# Altium PCB smoothieboard-5driver.PcbDoc (part 5 of 5)
Units mm, origin at the board's own origin, x right, y up, seen from the top; angles counter-clockwise.
Board outline 129.55 x 105.03 mm, 4 copper layers (Top, Route2, Route15, Bottom), stack 1.46 mm thick; 318 components, 238 nets, 1069 pads, 669 vias.
Unrouted connection lines stored in the file: 1.
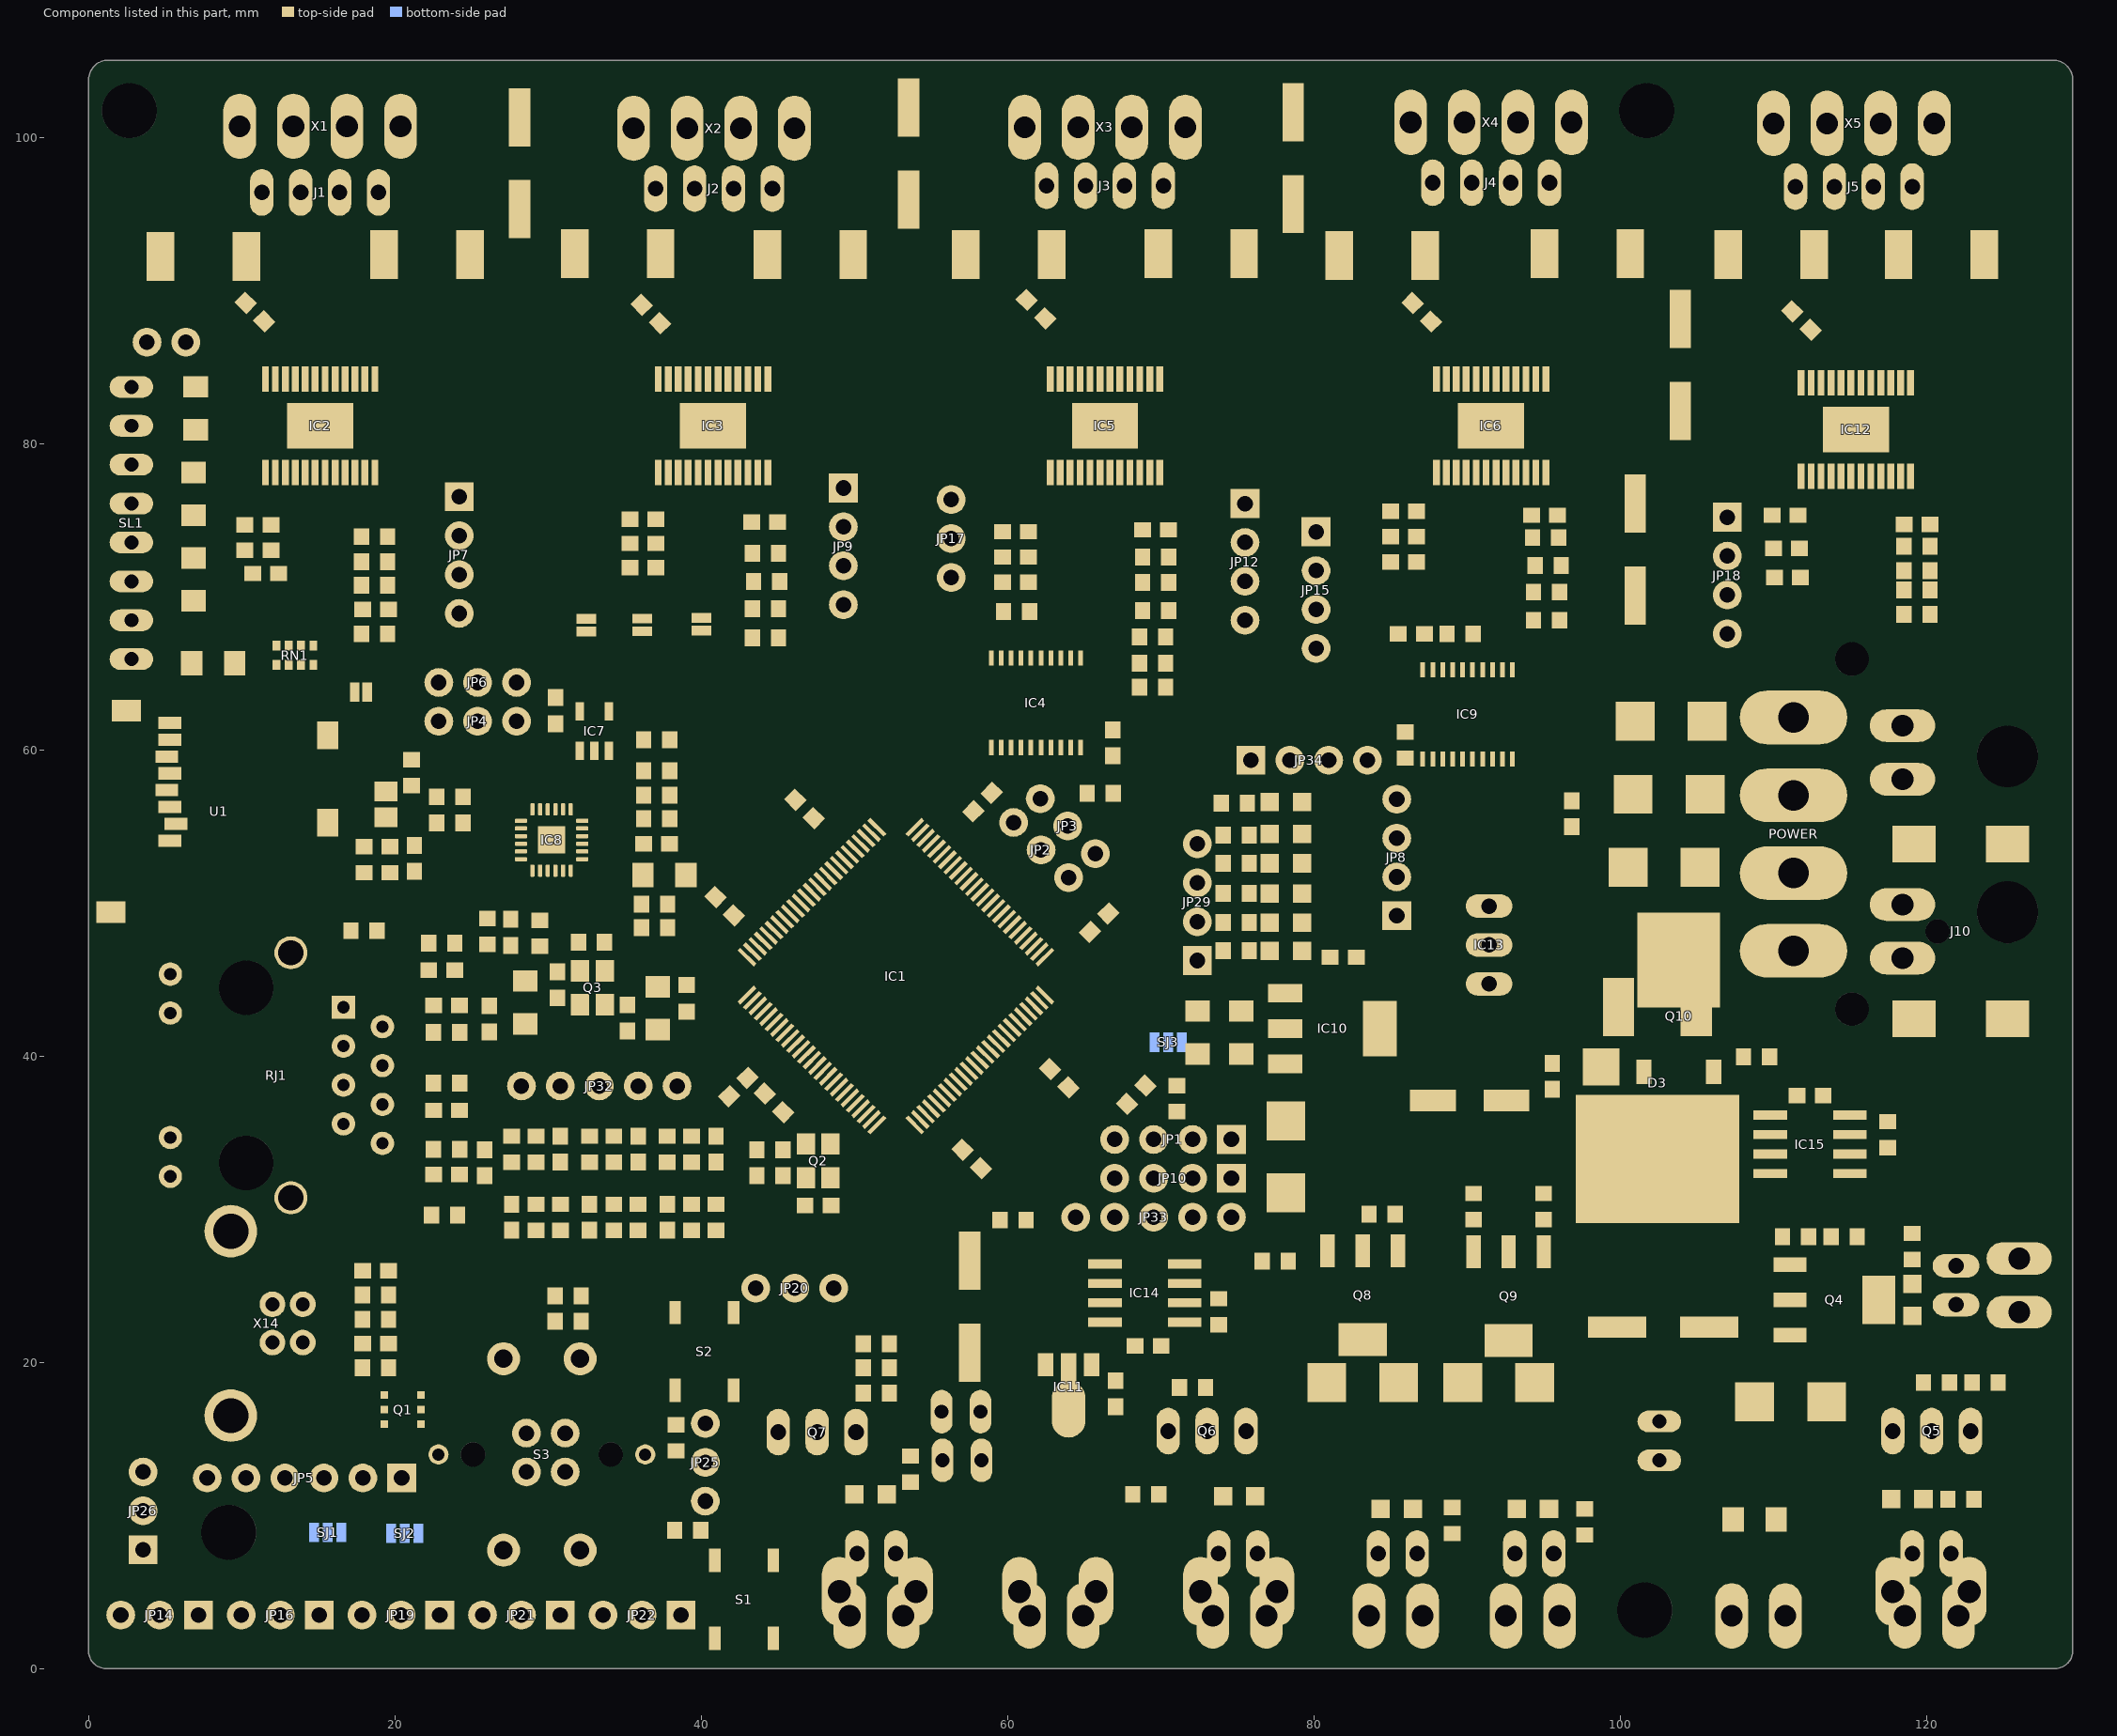
[diagram p7: the components of this part, seen from the top]

## Polygon pours and split planes (outlines as drawn) (continued)
VBB on Route2 "Polygon_9_Net_VBB" (solid, remove dead copper, pour order 44): 96.642,42.369 131.655,42.048 131.975,-2.489 120.139,-2.489 119.82,37.718 119.82,38.786 108.36,38.786 107.526,37.952 107.526,28.308 96.642,28.308
GND on Route2 "Polygon_10_Net_GND" (solid, remove dead copper, pour order 85): 109.135,-5.098 109.135,26.156 59.955,26.156 52.955,19.156 43.955,19.156 42.881,18.082 42.881,-5.098
GND on Top "Polygon_9_Net_GND" (solid, remove dead copper, pour order 87): 132.24,-4.343 132.558,109.628 82.856,109.18 82.856,99.181 74.161,99.181 74.161,109.181 57.855,109.181 57.855,99.181 50.16,99.181 50.16,109.181 32.856,109.181 32.856,98.181 25.16,98.181 25.16,109.181 -4.144,109.181 -4.144,66.877 81.856,66.877 81.856,57.556 78.278,57.556 78.278,42.647 81.771,42.647 81.771,-4.343
N$52 on Top "Polygon_1_Net_N$52" (solid, remove dead copper, pour order 55): 116.327,30.302 116.327,28.278 115.494,27.445 112.954,27.445 112.2,26.691 112.2,17.632 112.636,17.196 132.291,17.196 132.291,30.302
N$18 on Top "Polygon_1_Net_N$18" (solid, remove dead copper, pour order 71): 87.51,-1.778 87.83,28.956 106.18,28.956 106.18,-1.778
N$76 on Top "Polygon_1_Net_N$76" (solid, remove dead copper, pour order 67): 113.483,83.312 113.483,86.667 111.26,88.889 111.26,93.864 112.848,95.451 112.848,98.097 111.895,99.049 111.895,103.569 109.175,103.569 108.466,102.859 108.466,87.196 110.445,85.217 112.033,85.217 112.594,84.656 112.594,83.312
N$72 on Top "Polygon_1_Net_N$72" (solid, remove dead copper, pour order 49): 111.959,103.177 111.959,98.944 112.752,98.15 112.752,95.293 113.864,94.181 113.864,89.419 114.816,88.466 114.816,87.439 115.159,87.439 115.159,103.141 115.039,103.569 112.35,103.569
N$71 on Top "Polygon_1_Net_N$71" (solid, remove dead copper, pour order 61): 118.524,103.67 121.705,103.67 122.474,102.901 122.474,87.154 120.435,85.115 118.53,85.115 118.029,84.614 118.029,83.21 117.254,83.21 117.254,87.026 119.477,89.249 119.477,93.504 117.572,95.409 117.572,98.139 118.524,99.091
N$70 on Top "Polygon_1_Net_N$70" (solid, remove dead copper, pour order 21): 115.324,87.439 115.324,103.189 115.855,103.569 118.171,103.569 118.563,103.177 118.563,98.944 117.769,98.15 117.769,94.658 116.975,93.864 116.975,89.419 116.023,88.466 116.023,87.439
N$66 on Top "Polygon_1_Net_N$66" (solid, remove dead copper, pour order 59): 114.753,86.487 114.753,94.361 111.715,94.361 111.324,93.969 111.324,88.784 113.62,86.487
N$65 on Top "Polygon_1_Net_N$65" (solid, remove dead copper, pour order 48): 116.086,94.361 118.806,94.361 119.515,93.652 119.515,89.101 116.901,86.487 116.086,86.487
SMALL_MOSFET_POWER on Top "Polygon_4_Net_SMALL_MOSFET_POWER" (solid, remove dead copper, pour order 10): 84.793,21.514 84.793,18.543 86.877,16.459 88.399,16.459 90.483,18.543 90.483,21.514
SMALL_MOSFET_POWER on Top "Polygon_1_Net_SMALL_MOSFET_POWER" (solid, remove dead copper, pour order 54): 106.815,14.668 103.141,14.668 98.061,9.271 94.496,9.271 94.496,-0.506 109.118,-0.7 109.037,10.149 106.815,12.372
N$60 on Top "Polygon_1_Net_N$60" (solid, remove dead copper, pour order 22): 91.486,96.393 91.486,103.505 92.147,104.165 94.115,104.165 94.839,103.441 94.839,99.441 93.95,98.552 93.95,94.742 93.632,94.425 93.632,91.123 93.251,90.742 93.251,89.218 91.811,87.777 91.739,91.375 91.804,91.44 91.804,96.076
VBB_IN on Top "Polygon_1_Net_VBB_IN" (solid, remove dead copper, pour order 39): 115.451,53.964 115.451,50.789 114.255,49.593 99.015,49.593 97.989,48.567 97.989,41.159 99.015,40.132 114.361,40.132 115.705,41.476 115.705,46.874 116.901,48.069 121.028,48.069 122.055,49.096 122.055,54.917 121.346,55.626 117.113,55.626
MOSFET_DRIVE on Top "Polygon_4_Net_MOSFET_DRIVE" (solid, remove dead copper, pour order 47): 59.06,18.877 59.06,23.081 54.456,23.081 54.456,18.877
MOSFET_DRIVE on Top "Polygon_2_Net_MOSFET_DRIVE" (solid, remove dead copper, pour order 64): 75.325,-1.098 51.381,-1.098 51.381,16.582 52.881,18.082 52.881,19.156 59.134,19.156 59.19,10.149 60.041,9.298 75.056,9.156 75.325,9.156
N$94 on Top "Polygon_1_Net_N$94" (solid, remove dead copper, pour order 53): 50.935,-1.098 50.935,18.156 42.881,18.156 42.881,16.972 45.381,14.722 45.381,-1.098
N$88 on Top "Polygon_1_Net_N$88" (solid, remove dead copper, pour order 57): 70.816,20.403 70.816,28.949 87.473,28.982 87.43,11.168 85.567,11.211 85.525,-1.123 78.951,-1.123 78.951,8.331 77.392,9.89 77.084,9.957 76.373,10.668 76.373,18.606 75.26,19.719 71.5,19.719
+5V on Top "Polygon_1_Net_+5V" (solid, remove dead copper, pour order 37): 120.721,63.271 115.959,63.271 114.689,64.541 104.402,64.541 103.678,63.817 103.678,60.198 104.402,59.474 115.006,59.474 115.641,60.109 120.721,60.109 121.128,60.516 121.128,62.865
5V on Top "Polygon_3_Net_5V" (solid, remove dead copper, pour order 27): 89.692,46.063 92.886,46.063 96.617,42.332 96.617,37.948 91.915,37.948 88.502,41.361 88.502,44.872
5V on Top "Polygon_2_Net_5V" (solid, remove dead copper, pour order 13): 98.37,64.541 102.306,64.541 103.03,63.817 103.03,60.198 102.306,59.474 98.37,59.474 97.646,60.198 97.646,63.817
5V on Top "Polygon_1_Net_5V" (solid, remove dead copper, pour order 60): 81.313,32.724 81.313,39.405 79.884,40.834 73.703,40.834 73.703,36.16 76.875,32.724
N$50 on Top "Polygon_1_Net_N$50" (solid, remove dead copper, pour order 34): 87.854,103.187 87.854,99.123 88.679,98.298 88.679,95.314 87.892,94.526 85.233,94.526 84.679,93.861 84.679,93.54 84.742,91.123 84.68,87.876 85.019,87.48 85.675,86.825 88.596,86.571 89.657,85.509 88.908,85.509 88.464,85.954 84.527,85.954 83.853,86.628 83.215,87.202 82.977,87.44 82.977,94.996 82.469,95.504 82.469,102.235 83.638,103.403 83.892,103.403 84.527,104.038 87.003,104.038
N$49 on Top "Polygon_1_Net_N$49" (solid, remove dead copper, pour order 17): 88.184,99.378 88.184,103.378 88.845,104.038 90.495,104.038 91.156,103.378 91.156,95.631 91.346,95.44 91.346,87.961 89.454,89.853 89.454,95.06 89.073,95.441 89.073,98.489
N$48 on Top "Polygon_1_Net_N$48" (solid, remove dead copper, pour order 32): 95.233,101.918 95.233,103.505 96.147,104.419 98.242,104.419 99.411,103.251 99.411,94.425 99.22,94.234 99.22,88.964 96.528,86.271 93.874,86.271 95.004,87.401 95.512,87.401 96.376,88.265 96.376,94.615 95.83,95.161 95.258,95.161 94.534,95.885 94.534,98.361 95.36,99.187 95.36,101.791
N$46 on Top "Polygon_1_Net_N$46" (solid, remove dead copper, pour order 3): 86.597,89.916 86.597,93.789 86.94,94.132 88.781,94.132 89.06,93.853 89.06,89.725 90.775,88.011 90.775,86.627 88.337,89.065 87.448,89.065
N$45 on Top "Polygon_1_Net_N$45" (solid, remove dead copper, pour order 5): 93.925,90.653 93.925,94.096 94.316,94.488 95.628,94.488 96.02,94.096 96.02,88.657 95.247,87.884 93.388,87.884 93.086,87.703 92.464,87.525 92.464,87.81 93.736,89.082 93.799,90.465
N$34 on Top "Polygon_1_Net_N$34" (solid, remove dead copper, pour order 38): 58.303,106.232 62.963,106.232 62.882,98.757 63.711,97.858 63.711,94.826 62.092,94.826 61.211,93.945 61.211,88.868 64.711,85.618 64.711,83.326 63.556,83.326 63.543,85.033 62.797,85.78 60.308,85.78 58.48,87.609
N$33 on Top "Polygon_1_Net_N$33" (solid, remove dead copper, pour order 20): 63.133,98.775 63.133,103.409 63.508,103.784 65.413,103.784 66.2,102.997 66.2,87.707 64.308,89.599 64.308,94.679 63.864,95.123 63.864,98.044
N$32 on Top "Polygon_1_Net_N$32" (solid, remove dead copper, pour order 31): 74.201,102.303 74.201,88.392 71.953,86.144 68.982,86.144 70.366,87.528 70.874,87.528 71.166,87.82 71.166,94.298 69.261,96.203 69.261,98.044 70.087,98.869 70.087,102.679 71.001,103.594 72.774,103.594
N$31 on Top "Polygon_1_Net_N$31" (solid, remove dead copper, pour order 18): 66.531,103.124 67.191,103.784 68.588,103.784 69.566,102.806 69.566,98.933 68.931,98.298 68.931,95.314 68.359,94.742 68.359,89.472 66.531,87.643
N$30 on Top "Polygon_1_Net_N$30" (solid, remove dead copper, pour order 0): 65.565,86.237 65.565,87.82 63.914,89.471 63.914,93.916 63.317,94.513 62.238,94.513 61.768,94.043 61.768,90.172
N$28 on Top "Polygon_1_Net_N$28" (solid, remove dead copper, pour order 4): 68.753,89.408 68.753,94.17 69.16,94.577 70.302,94.577 70.836,94.043 70.836,89.408 69.413,87.986 68.715,87.986 67.166,86.437 67.166,87.82
N$14 on Top "Polygon_1_Net_N$14" (solid, remove dead copper, pour order 29): 32.876,97.282 32.876,102.489 34.044,103.657 36.203,103.657 36.927,102.933 36.927,98.615 37.943,97.599 37.943,95.568 37.346,94.971 36.203,94.971 35.466,94.234 35.466,91.112 34.577,90.413 34.577,89.154 37.282,86.449 38.108,86.449 38.857,85.7 35.568,85.7 32.939,88.329 32.939,90.233 33.066,90.36 33.066,97.092
N$12 on Top "Polygon_1_Net_N$12" (solid, remove dead copper, pour order 19): 38.108,103.467 39.759,103.467 40.61,102.616 40.61,87.77 40.285,88.095 38.826,89.618 38.718,89.726 38.718,94.615 38.337,94.996 38.337,97.79 37.384,98.743 37.384,102.743
N$11 on Top "Polygon_1_Net_N$11" (solid, remove dead copper, pour order 30): 44.242,101.537 44.242,103.06 45.093,103.911 47.442,103.911 48.547,102.806 48.547,87.948 46.934,86.335 43.773,86.335 45.766,88.328 45.766,94.234 43.988,96.012 43.988,98.044 44.306,98.361 44.306,101.473
N$10 on Top "Polygon_1_Net_N$10" (solid, remove dead copper, pour order 16): 40.94,102.934 40.94,103.568 41.347,103.975 42.87,103.975 43.848,102.997 43.848,98.298 43.277,97.727 43.277,94.679 42.768,94.17 42.704,90.169 40.938,88.403 41.003,102.871
N$8 on Top "Polygon_1_Net_N$8" (solid, remove dead copper, pour order 2): 41.575,86.437 41.575,88.326 43.226,90.041 43.226,93.98 43.696,94.45 44.839,94.45 45.436,93.853 45.436,90.297
N$104 on Top "Polygon_1_Net_N$104" (solid, remove dead copper, pour order 35): 8.2,103.848 10.612,103.848 11.146,103.314 11.146,98.679 12.162,97.663 12.162,95.187 11.628,94.653 10.422,94.653 9.787,94.018 8.517,94.018 8.288,93.79 8.288,89.163 10.253,87.567 11.07,87.127 11.597,86.798 12.444,85.95 8.188,86.589 7.819,86.589 6.015,88.392 5.951,101.47 7.412,102.995 7.412,103.06
N$103 on Top "Polygon_1_Net_N$103" (solid, remove dead copper, pour order 25): 11.794,102.997 11.794,103.251 12.327,103.784 14.168,103.784 14.956,102.997 14.956,87.605 14.677,87.605 13,89.281 13,94.234 12.619,94.615 12.619,97.981 11.603,98.997 11.603,102.806
N$102 on Top "Polygon_1_Net_N$102" (solid, remove dead copper, pour order 33): 18.588,103.251 18.588,103.759 18.995,104.165 21.661,104.165 23.592,102.235 23.592,91.12 23.527,88.835 20.772,86.081 17.148,86.081 19.215,87.02 19.445,87.02 19.906,87.424 21.573,89.09 21.573,93.345 20.9,94.018 20.074,94.018 19.439,94.653 18.042,94.653 17.572,95.123 17.572,97.726 18.715,98.869 18.715,103.124
N$101 on Top "Polygon_1_Net_N$101" (solid, remove dead copper, pour order 15): 15.286,103.187 15.756,103.657 17.788,103.657 18.321,103.124 18.321,99.187 17.178,98.044 17.178,89.789 15.286,87.897
N$99 on Top "Polygon_1_Net_N$99" (solid, remove dead copper, pour order 9): 9.106,91.218 9.106,93.046 9.899,93.885 10.445,94.431 12.662,94.431 12.607,89.403 14.66,87.342 14.66,83.377 13.606,83.377 13.606,86.468
N$98 on Top "Polygon_1_Net_N$98" (solid, remove dead copper, pour order 50): 15.606,94.181 21.16,94.181 21.16,88.627 18.321,88.627 16.66,86.966 16.66,83.377 15.606,83.377
VBB on Top "Polygon_6_Net_VBB" (solid, remove dead copper, pour order 12): 102.38,85.065 105.232,85.065 106.351,83.946 106.351,80.588 105.243,79.258 102.764,79.258 101.545,80.477 101.545,84.346 101.914,84.715
VBB on Top "Polygon_5_Net_VBB" (solid, remove dead copper, pour order 11): 99.84,79.032 102.692,79.032 103.811,77.913 103.811,74.555 102.703,73.226 100.224,73.226 99.005,74.445 99.005,78.313 99.374,78.683
VBB on Top "Polygon_3_Net_VBB" (solid, remove dead copper, pour order 46): 90.385,83.402 90.385,87.082 88.061,89.406 86.381,89.406 86.381,87.402 87.455,87.402 89.381,85.476 89.381,83.402
VBB on Top "Polygon_2_Net_VBB" (solid, remove dead copper, pour order 8): 51.545,94.361 51.545,98.044 52.154,98.653 52.473,98.595 54.734,98.595 56.167,97.484 56.167,94.425 55.062,93.32 52.586,93.32
VBB on Top "Polygon_1_Net_VBB" (solid, remove dead copper, pour order 63): 108.11,33.744 108.11,26.226 107.386,25.502 104.211,25.502 103.665,24.956 103.665,20.002 104.211,19.456 111.92,19.456 111.92,16.701 111.196,15.977 108.656,15.977 107.386,14.707 103.132,14.707 97.011,20.828 97.011,33.744
3.3V on Top "Polygon_2_Net_3.3V" (solid, remove dead copper, pour order 56): 77.034,43.421 79.574,43.421 81.618,45.465 81.618,48.323 82.432,49.136 96.833,49.136 96.833,31.064 80.978,31.064 81.101,38.805 79.679,40.226 77.032,40.274 76.538,40.768 76.538,42.925
GND on Top "Polygon_24_Net_GND" (solid, remove dead copper, pour order 77): 61.451,19.456 65.883,19.456 65.883,14.072 61.451,14.072
GND on Top "Polygon_23_Net_GND" (solid, remove dead copper, pour order 83): 59.254,19.431 59.254,10.361 60.28,9.335 76.335,9.335 76.335,13.716 72.451,13.716 71.89,14.277 71.89,19.431
GND on Top "Polygon_20_Net_GND" (solid, remove dead copper, pour order 6): 79.32,28.981 81.351,28.981 82.075,28.257 82.075,24.956 81.351,24.232 79.32,24.232 78.596,24.956 78.596,28.257
GND on Top "Polygon_18_Net_GND" (solid, remove dead copper, pour order 28): 109.076,82.956 122.398,82.956 122.398,78.842 109.076,78.842
GND on Top "Polygon_17_Net_GND" (solid, remove dead copper, pour order 78): 104.922,73.435 97.967,73.435 97.967,66.623 104.922,66.623
GND on Top "Polygon_16_Net_GND" (solid, remove dead copper, pour order 80): 33.414,109.435 24.602,109.435 24.602,97.623 33.414,97.623
GND on Top "Polygon_15_Net_GND" (solid, remove dead copper, pour order 79): 58.414,109.435 49.602,109.435 49.602,98.623 58.414,98.623
GND on Top "Polygon_14_Net_GND" (solid, remove dead copper, pour order 81): 83.414,109.435 73.602,109.435 73.602,99.861 74.84,98.623 82.176,98.623 83.414,99.861
GND on Top "Polygon_13_Net_GND" (solid, remove dead copper, pour order 45): -1.119,30.402 20.249,30.402 24.399,25.845 40.066,25.845 41.41,27.189 41.337,40.384 40.457,41.265 40.384,47.656 -1.119,47.656
GND on Top "Polygon_12_Net_GND" (solid, remove dead copper, pour order 43): -0.869,30.156 -0.869,14.152 24.135,14.152 24.135,25.827 20.315,30.156 15.205,30.156 13.955,28.906 12.561,28.906 11.311,30.156
GND on Top "Polygon_8_Net_GND" (solid, remove dead copper, pour order 7): 91.575,28.564 91.183,28.956 88.538,28.956 88.146,28.564 88.146,24.649 88.538,24.257 91.183,24.257 91.575,24.649
GND on Top "Polygon_7_Net_GND" (solid, remove dead copper, pour order 42): -1.219,63.956 -1.219,48.102 21.835,48.102 21.835,63.956
GND on Top "Polygon_5_Net_GND" (solid, remove dead copper, pour order 82): 99.716,85.357 99.716,98.666 108.58,98.666 108.58,85.357
GND on Top "Polygon_4_Net_GND" (solid, remove dead copper, pour order 14): 50.681,100.595 50.681,103.748 51.39,104.457 56.258,104.457 56.968,103.748 56.968,99.769 56.639,99.441 51.835,99.441
GND on Top "Polygon_3_Net_GND" (solid, remove dead copper, pour order 23): 24.71,99.515 24.71,103.367 25.482,104.14 31.366,104.14 32.076,103.431 32.076,99.579 31.366,98.87 25.355,98.87
GND on Top "Polygon_2_Net_GND" (solid, remove dead copper, pour order 24): 57.323,32.296 57.323,31.75 55.609,30.035 55.609,24.384 56.333,23.66 59.063,23.66 60.485,25.083 60.485,25.527 59.977,26.035 59.977,33.02 59.126,33.871 58.619,33.871 57.044,32.296
GND on Bottom "Polygon_6_Net_GND" (solid, remove dead copper, pour order 89): -2.659,107.696 132.215,107.696 132.215,-1.778 -2.659,-1.778
N$52 on Bottom "Polygon_2_Net_N$52" (solid, remove dead copper, pour order 75): 108.466,39.116 108.466,15.05 113.408,15.05 116.266,17.907 122.828,17.907 124.024,16.711 124.024,-3.683 139.518,-3.683 139.518,39.116
SMALL_MOSFET_POWER on Bottom "Polygon_2_Net_SMALL_MOSFET_POWER" (solid, remove dead copper, pour order 69): 83.881,-0.398 83.881,18.556 100.631,18.556 101.1,18.087 101.1,15.864 102.296,14.668 107.768,14.668 107.768,11.737 109.038,10.467 109.027,-0.398
VBB_IN on Bottom "Polygon_2_Net_VBB_IN" (solid, remove dead copper, pour order 70): 85.998,39.179 129.993,39.179 129.993,51.816 110.763,51.816 109.175,50.228 85.998,50.228 85.289,49.519 85.289,39.889
MOSFET_DRIVE on Bottom "Polygon_1_Net_MOSFET_DRIVE" (solid, remove dead copper, pour order 41): 74.985,-1.123 74.985,9.092 72.896,11.181 65.071,11.181 63.821,12.432 60.945,12.432 59.695,11.181 57.071,11.181 56.41,11.842 56.41,19.181 51.106,19.181 51.106,-1.123
N$94 on Bottom "Polygon_2_Net_N$94" (solid, remove dead copper, pour order 72): 50.884,0.489 50.935,13.324 49.03,15.229 49.03,17.134 48.638,17.526 46.628,17.526 46.236,17.134 46.236,1.471 49.243,-1.535 47.55,0.489
N$92 on Bottom "Polygon_1_Net_N$92" (solid, remove dead copper, pour order 73): 75.103,9.405 75.103,-1.168 79.537,-1.168 79.35,17.33 78.494,18.186 72.335,18.186 71.611,17.462 71.611,12.256 72.335,11.532 73.28,11.532
VBB on Bottom "Polygon_7_Net_VBB" (solid, remove dead copper, pour order 66): 56.396,11.949 56.396,22.532 59.645,25.781 78.06,25.781 79.256,26.977 79.256,34.597 83.775,39.116 108.403,39.116 108.403,15.124 108.011,14.732 102.19,14.732 101.164,15.759 101.164,17.981 100.603,18.542 70.123,18.542 69.17,19.494 62.608,19.494 61.73,18.616 61.73,13.219 59.751,11.239 57.105,11.239
GND on Bottom "Polygon_21_Net_GND" (solid, remove dead copper, pour order 62): 109.342,1.003 109.342,10.498 116.446,17.602 118.837,17.602 119.274,17.166 119.274,7.79 112.487,1.003
GND on Bottom "Polygon_19_Net_GND" (solid, remove dead copper, pour order 84): 106.023,65.227 121.958,65.227 123.084,64.101 123.084,42.278 106.023,42.278 104.897,43.404 104.897,64.101
N$109 on Route15 "Polygon_1_Net_N$109" (solid, remove dead copper, pour order 36): 119.939,17.285 120.742,17.285 121.814,16.213 121.814,14.943 122.449,14.308 122.449,4.932 119.472,1.956 116.764,1.956 115.375,3.345 115.375,7.323 118.232,10.181 118.232,14.308 118.867,14.943 118.867,16.213
SMALL_MOSFET_POWER on Route15 "Polygon_3_Net_SMALL_MOSFET_POWER" (solid, remove dead copper, pour order 68): 85.151,-1.098 85.151,14.758 105.818,14.758 105.818,14.639 107.45,13.007 107.45,12.054 109.036,10.468 109.313,-1.098
MOSFET_DRIVE on Route15 "Polygon_3_Net_MOSFET_DRIVE" (solid, remove dead copper, pour order 65): 51.634,-1.143 75.065,-1.143 75.065,9.271 73.086,9.271 71.181,11.176 58.965,11.156 57.019,13.102 56.967,17.77 56.258,18.479 52.343,18.479 51.634,17.769
N$94 on Route15 "Polygon_3_Net_N$94" (solid, remove dead copper, pour order 52): 51.57,-2.413 51.57,8.568 49.665,10.156 49.665,16.499 48.956,17.209 46.628,17.209 45.919,16.499 45.919,-2.413
N$92 on Route15 "Polygon_2_Net_N$92" (solid, remove dead copper, pour order 74): 79.193,-1.143 79.193,18.796 71.954,18.796 71.954,9.002 74.811,9.32 74.811,-1.143
VBB on Route15 "Polygon_8_Net_VBB" (solid, remove dead copper, pour order 1): 57.006,17.462 57.006,12.891 57.73,12.167 58.809,12.167 59.533,12.891 59.533,17.462 58.809,18.186 57.73,18.186
VBB on Route15 "Polygon_4_Net_VBB" (solid, remove dead copper, pour order 58): 131.263,39.179 110.551,39.179 108.085,36.714 108.085,30.364 106.741,29.019 98.063,29.019 97.036,30.046 97.036,37.772 106.561,47.297 106.561,64.336 94.888,76.009 8.341,75.902 8.341,88.442 -1.119,88.442 -1.119,106.156 130.899,106.156
3.3V on Route15 "Polygon_1_Net_3.3V" (solid, remove dead copper, pour order 86): 106.408,75.155 106.408,-1.098 -1.119,-1.098 -1.119,75.657
GND on Route15 "Polygon_22_Net_GND" (solid, remove dead copper, pour order 76): 132.609,-2.172 132.609,39.192 110.612,39.192 110.612,29.866 106.604,25.857 94.39,25.857 91.215,29.032 84.061,29.032 74.13,19.101 79.299,19.101 79.497,18.902 79.497,-2.172
GND on Route15 "Polygon_11_Net_GND" (solid, remove dead copper, pour order 51): 71.89,16.182 71.89,11.314 67.763,7.186 67.763,3.376 66.736,2.349 64.408,2.349 63.699,3.059 63.699,10.782 69.486,16.891 71.181,16.891

## Keep-outs
Keep-Out Layer:
  the board outline again, w0
Dimension:
  lines w0.051: 107.958,45.974 108.911,45.021 110.181,45.021 ; 107.958,47.879 108.911,48.831 110.181,48.831 ; 112.403,45.021 113.991,45.021 114.943,45.974 ; 112.403,48.831 113.991,48.831 114.943,47.879
  lines w0.203: 108.911,100.266 108.911,99.314 109.546,98.679 ; 108.911,101.536 108.911,102.489 109.546,103.124 ; 110.498,98.679 111.133,99.314 111.133,100.266 ; 110.498,103.124 111.133,102.489 111.133,101.536 ; 110.657,96.298 110.657,95.663 111.133,95.186 ; 110.657,97.25 110.657,97.885 111.133,98.361 ; 111.768,95.186 112.244,95.663 112.244,96.298 ; 111.768,98.361 112.244,97.885 112.244,97.25 ; 112.403,100.266 112.403,99.314 113.038,98.679 ; 112.403,101.536 112.403,102.489 113.038,103.124 ; 113.197,96.298 113.197,95.663 113.673,95.186 ; 113.197,97.25 113.197,97.885 113.673,98.361 ; 113.991,98.679 114.626,99.314 114.626,100.266 ; 113.991,103.124 114.626,102.489 114.626,101.536 ; 114.308,95.186 114.784,95.663 114.784,96.298 ; 114.308,98.361 114.784,97.885 114.784,97.25 ; 115.737,96.298 115.737,95.663 116.213,95.186 ; 115.737,97.25 115.737,97.885 116.213,98.361 ; 115.896,100.266 115.896,99.314 116.531,98.679 ; 115.896,101.536 115.896,102.489 116.531,103.124 ; 116.848,95.186 117.324,95.663 117.324,96.298 ; 116.848,98.361 117.324,97.885 117.324,97.25 ; 117.483,98.679 118.118,99.314 118.118,100.266 ; 117.483,103.124 118.118,102.489 118.118,101.536 ; 118.277,96.298 118.277,95.663 118.753,95.186 ; 118.277,97.25 118.277,97.885 118.753,98.361 ; 119.388,95.186 119.864,95.663 119.864,96.298 ; 119.388,98.361 119.864,97.885 119.864,97.25 ; 119.388,100.266 119.388,99.314 120.023,98.679 ; 119.388,101.536 119.388,102.489 120.023,103.124 ; 120.976,98.679 121.611,99.314 121.611,100.266 ; 120.976,103.124 121.611,102.489 121.611,101.536

## Silkscreen, mask and mechanical layers (free items; w line width, h text height)
Top Overlay:
  circle w0.406: c113.026,32.629 r0.25
  circle w0.406: c68.258,26.279 r0.25
  circle w0.305: c38.608,1.629 r0.224
  circle w0.305: c30.808,1.729 r0.224
  circle w0.305: c22.908,1.729 r0.224
  circle w0.305: c15.008,1.729 r0.224
  circle w0.305: c7.208,1.829 r0.224
  circle w0.305: c1.708,7.729 r0.224
  lines w0.406: 64.143,32.004 74.938,32.004
  text "1" at 5.723,80.984 h1.08 r90
  text "Smoothieboard(tm) v1.1" at 127.961,78.676 h1.97 r90
  text "2" at 5.596,75.671 h1.08 r90
  text "GND" at 45.728,70.739 h1.57 r315
  text "3" at 5.596,70.528 h1.08 r90
  text "GND" at 25.408,69.469 h1.57
  text "GND" at 71.763,69.469 h1.57 r315
  text "GND" at 76.843,67.564 h1.57 r315
  text "GND" at 107.958,66.929 h1.57 r315
  text "4" at 5.469,64.305 h1.08 r90
  text "5VREG" at 97.027,43.443 h2.76 r90
  text "PWM1" at 45.726,9.197 h1.57 r90
  text "PWM0" at 81.923,7.81 h1.57 r90
Top Solder:
  region: 111.53,76.93 111.53,78.756 119.229,78.756 119.229,76.93
  region: 111.53,83.042 111.53,84.868 119.229,84.868 119.229,83.042
  region: 87.718,83.28 87.718,85.106 95.417,85.106 95.417,83.28
  region: 87.718,77.169 87.718,78.994 95.417,78.994 95.417,77.169
  region: 62.476,77.169 62.476,78.994 70.255,78.994 70.255,77.169
  region: 62.476,83.28 62.476,85.106 70.255,85.106 70.255,83.28
  region: 36.918,83.28 36.918,85.106 44.617,85.106 44.617,83.28
  region: 36.918,77.169 36.918,78.994 44.617,78.994 44.617,77.169
  region: 11.279,77.169 11.279,78.994 18.979,78.994 18.979,77.169
  region: 11.279,83.28 11.279,85.106 18.979,85.106 18.979,83.28
  region: 113.038,79.311 113.038,82.486 117.801,82.486 117.801,79.311
  region: 89.226,79.55 89.226,82.725 93.988,82.725 93.988,79.55
  region: 63.984,79.55 63.984,82.725 68.747,82.725 68.747,79.55
  region: 38.426,79.55 38.426,82.725 43.188,82.725 43.188,79.55
  region: 12.708,79.55 12.708,82.725 17.471,82.725 17.471,79.55
  lines w0.813: 40.966,41.846 41.601,42.481 ; 40.966,43.116 41.601,43.752 ; 40.966,44.386 41.601,45.021 ; 41.601,41.212 42.236,41.846 ; 42.236,40.576 42.871,41.212 ; 42.871,39.941 43.506,40.576
Bottom Solder:
  region: 102.243,12.954 102.243,14.224 106.053,14.224 106.053,12.954
  region: 102.243,15.494 102.243,16.764 106.053,16.764 106.053,15.494
Dimension:
  the board outline again, w0
tDocu:
  text "-ADC+" at 3.672,88.081 h1.57
  text "TH4" at 16.213,65.062 h1.57
  text "MS2" at 36.455,64.916 h1.57 r90
  text "MS1" at 32.726,64.892 h1.57 r90
  text "MS3" at 40.265,64.887 h1.57 r90
bPlace:
  text "Smoothieboard(tm) v1.1" at 74.621,92.964 h3.94
  text "http://smoothieware.org/" at 74.303,90.106 h2.76
  text "irc://chat.freenode.net/#smoothieware" at 74.303,87.884 h2.76
  text "designed by" at 98.116,39.624 h2.76
  text "Arthur Wolf," at 95.576,37.084 h2.76
  text "Triffid_Hunter," at 97.481,34.544 h2.76
  text "Eneiou Logxen," at 97.798,32.004 h2.76
  text "and others" at 94.941,29.464 h2.76
  text "with the support of" at 106.371,26.733 h2.76
  text "the RepRap community" at 106.371,24.066 h2.76
_tsilk:
  drawing of 4079 lines, arcs and shapes, not listed
  text "M3" at 67.333,91.14 h1.86 r90
  text "M5" at 116.164,91.077 h1.86 r90
  text "M1" at 15.961,90.743 h1.86 r90
  text "M4" at 92.352,90.759 h1.86 r90
  text "M2" at 41.361,90.505 h1.86 r90
  text "Thermistor" at 2.294,86.945 h1.08 r90
  text "EN2" at 45.661,78.278 h1.57 r315
  text "EN3" at 72.089,77.433 h1.57 r315
  text "EN5" at 107.52,77.406 h1.57 r315
  text "DIR2" at 45.414,76.122 h1.57 r315
  text "EN1" at 25.556,75.95 h1.57
  text "EN4" at 76.746,75.815 h1.57 r315
  text "DIR3" at 71.733,75.171 h1.57 r315
  text "DIR1" at 25.552,73.609 h1.57
  text "DIR4" at 76.445,73.486 h1.57 r315
  text "VBB" at 53.569,73.42 h1.57 r45
  text "ST2" at 45.838,73.331 h1.57 r315
  text "ST3" at 72.101,72.129 h1.57 r315
  text "DIR5" at 107.56,71.263 h1.57 r315
  text "ST1" at 25.62,70.957 h1.57
  text "ST4" at 76.779,70.414 h1.57 r315
  text "3.3V" at 53.011,70.337 h1.57 r45
  text "ST5" at 107.894,69.144 h1.57 r315
  text "GND" at 53.829,68.515 h1.57 r45
  text "5v" at 127.961,67.882 h5.91 r90
  text "GND" at 22.233,65.659 h1.57 r30
  text "SD_MO" at 24.773,65.659 h1.57 r30
  text "SD_MI" at 27.313,65.659 h1.57 r30
  text "+" at 107.489,64.693 h3.94 r90
  text "+" at 117.525,63.661 h3.94
  text "GND" at 75.419,61.213 h1.57 r45
  text "POT7" at 80.357,61.015 h1.57 r45
  text "POT8" at 82.902,60.992 h1.57 r45
  text "POT6" at 77.798,60.968 h1.57 r45
  text "3v3" at 21.598,59.944 h1.57 r330
  text "SD_CS" at 24.773,59.944 h1.57 r330
  text "SD_SCK" at 27.313,59.944 h1.57 r330
  text "GND" at 60.968,58.039 h0.86
  text "-" at 108.432,57.126 h5.91 r90
  text "SCL/P0.1" at 86.686,56.451 h1.57
  text "VBB" at 80.336,56.134 h1.57
  text "P0.18" at 65.096,55.499 h0.86 r315
  text "-" at 118.695,54.337 h3.94
  text "3v3" at 57.158,54.229 h0.86
  text "SDA/P0.0" at 86.686,54.229 h1.57
  text "3.3v" at 80.49,54.131 h0.86
  text "micro SD" at 8.453,52.676 h1.08 r90
  text "P0.17" at 66.273,52.417 h0.86 r315
  text "+" at 120.752,52.418 h3.94
  text "4" at 80.869,52.311 h1.57 r90
  text "-" at 108.215,52.118 h5.91 r90
  text "P0.16" at 60.333,52.006 h0.86 r315
  text "P0.15" at 65.096,51.689 h0.86 r315
  text "GND" at 86.051,50.736 h1.57 r315
  text "3" at 80.869,50.364 h1.57 r90
  text "3v3" at 86.051,48.831 h1.57 r315
  text "2" at 80.889,48.599 h1.57 r90
  text "VBB" at 93.353,47.879 h1.57 r45
  text "1" at 80.88,47.356 h1.57 r90
  text "GND" at 93.353,45.339 h1.57 r45
  text "RTCK" at 40.632,44.834 h0.35 r45
  text "+" at 109.359,43.24 h3.94 r90
  text "5v" at 93.353,42.799 h1.57 r45
  text "TDO" at 40.013,41.846 h0.35 r45
  text "-" at 121.24,41.555 h3.94
  text "TDI" at 40.013,40.576 h0.35 r45
  text "TMS" at 40.807,39.783 h0.35 r45
  text "P1.23" at 33.663,39.624 h0.52
  text "P1.22" at 37.473,39.624 h0.52
  text "GND" at 29.218,39.306 h0.69 r45
  text "P1.30" at 30.488,39.306 h0.52 r45
  text "P1.31" at 32.393,39.306 h0.52 r45
  text "TRST" at 40.966,38.989 h0.35 r45
  text "TCK" at 41.918,38.513 h0.35 r45
  text "VBB" at 119.575,37.599 h5.91
  text "5v" at 75.207,36.542 h1.08
  text "SCL/P0.28" at 67.318,35.814 h0.86 r90
  text "SDA/P0.27" at 70.176,35.814 h0.86 r90
  text "GND" at 72.716,35.814 h0.86 r90
  text "3v3" at 74.303,35.814 h0.86 r90
  text "Ethernet" at 2.484,35.637 h1.08 r90
  text "GND" at 60.968,31.686 h0.86
  text "GND" at 63.714,27.359 h0.52
  text "P2.7" at 65.823,27.359 h0.52
  text "P2.5" at 68.68,27.359 h0.52
  text "P2.4" at 71.22,27.359 h0.52
  text "P2.6" at 73.76,27.359 h0.52
  text "+" at 116.531,26.924 h3.94
  text "P2.11" at 44.776,25.971 h0.86 r45
  text "P3.26" at 47.316,25.971 h0.86 r45
  text "P3.25" at 50.173,25.654 h0.86 r45
  text "USB" at 2.619,21.316 h1.08 r90
  text "-" at 118.753,20.256 h3.94 r90
  text "ISP" at 43.985,19.897 h1.97 r90
  text "ISP" at 37.334,16.708 h0.69
  text "X_MIN" at 1.343,15.017 h1.57
  text "Serial" at 12.236,14.966 h1.08
  text "RX" at 12.044,13.788 h1.57
  text "TX" at 9.638,13.622 h1.57
  text "V+" at 14.613,13.589 h1.57
  text "GND" at 18.995,13.525 h1.57
  text "S" at 1.909,12.806 h1.26 r90
  text "GND" at 36.452,12.228 h1.57
  text "-" at 83.193,11.049 h3.94
  text "+" at 86.051,11.049 h3.94
  text "-" at 92.083,11.049 h3.94
  text "+" at 94.941,11.049 h3.94
  text "RST" at 36.584,10.676 h0.69
  text "-" at 1.942,10.639 h1.97 r90
  text "+" at 59.698,10.096 h3.94
  text "-" at 64.778,10.096 h3.94
  text "+" at 73.668,10.096 h3.94 r90
  text "-" at 46.363,9.779 h3.94
  text "+" at 54.618,9.779 h3.94
  text "-" at 77.161,9.779 h3.94
  text "-" at 114.943,9.779 h3.94
  text "+" at 124.468,9.779 h3.94
  text "+" at 1.95,8.348 h1.97 r90
  text "P1.24" at 6.041,8.35 h1.57 r90
  text "-" at 111.768,7.874 h3.94
  text "+" at 103.831,7.556 h3.94
  text "RESET" at 44.077,7.302 h1.97 r90
  text "X_MAX" at 6.231,6.286 h1.57
  text "Y_MIN" at 12.01,6.286 h1.57
  text "Y_MAX" at 18.296,6.286 h1.57
  text "Z_MAX" at 34.171,6.159 h1.57
  text "Z_MIN" at 26.234,6.096 h1.57
  text "P1.25" at 2.707,4.858 h1.57
  text "P1.26" at 10.644,4.858 h1.57
  text "P1.27" at 18.423,4.858 h1.57
  text "P1.28" at 26.202,4.858 h1.57
  text "P1.29" at 34.139,4.858 h1.57
  text "S" at 1.913,1.206 h1.26
  text "S" at 9.533,1.206 h1.26
  text "S" at 17.471,1.206 h1.26
  text "S" at 25.408,1.206 h1.26
  text "S" at 33.346,1.206 h1.26
  text "-" at 4.136,0.889 h1.97
  text "+" at 6.041,0.889 h1.97
  text "-" at 12.073,0.889 h1.97
  text "+" at 13.978,0.889 h1.97
  text "-" at 19.693,0.889 h1.97
  text "+" at 21.916,0.889 h1.97
  text "-" at 27.631,0.889 h1.97
  text "+" at 29.536,0.889 h1.97
  text "-" at 35.568,0.889 h1.97
  text "+" at 37.473,0.889 h1.97
_bsilk:
  lines w0.254: 55.888,13.589 55.888,16.764 ; 58.428,13.589 58.428,16.764 ; 64.143,32.004 74.938,32.004
  lines w0.61: 15.248,12.319 15.566,12.002 15.566,8.826
  text "M4" at 100.638,96.505 h1.86
  text "M1" at 23.819,96.315 h1.86
  text "M2" at 50.092,96.315 h1.86
  text "M3" at 75.492,96.251 h1.86
  text "M5" at 124.45,96.188 h1.86
  text "GND" at 6.808,83.284 h1.57
  text "TH1/P0.23" at 11.719,80.707 h1.57
  text "GND" at 6.808,78.204 h1.57
  text "EN2/P0.10" at 47.633,76.454 h1.57
  text "EN1/P0.4" at 22.233,75.819 h1.57
  text "VBB" at 54.618,75.819 h1.57
  text "TH2/P0.24" at 11.689,75.627 h1.57
  text "EN3/P0.19" at 73.668,75.184 h1.57
  text "EN5/P4.29" at 105.418,74.549 h1.57
  text "DIR2/P0.11" at 47.633,73.914 h1.57
  text "EN4/P0.21" at 89.21,73.722 h1.57
  text "DIR1/P0.5" at 22.233,73.279 h1.57
  text "3v3" at 54.618,73.279 h1.57
  text "DIR3/P0.20" at 73.668,73.279 h1.57
  text "GND" at 6.808,73.124 h1.57
  text "DIR5/P2.13" at 105.418,72.009 h1.57
  text "STP2/P2.1" at 47.633,71.374 h1.57
  text "STP3/P2.2" at 73.668,71.374 h1.57
  text "DIR4/P0.22" at 89.985,71.182 h1.57
  text "STP1/P2.0" at 22.233,70.739 h1.57
  text "GND" at 54.618,70.739 h1.57
  text "TH3/P0.25" at 11.718,70.547 h1.57
  text "STP5/P2.8" at 105.418,69.469 h1.57
  text "GND" at 47.633,68.834 h1.57
  text "STP4/P2.3" at 89.162,68.642 h1.57
  text "GND" at 22.233,68.199 h1.57
  text "GND" at 6.808,68.044 h1.57
  text "5v" at 127.961,67.882 h5.91
  text "GND" at 73.668,67.564 h1.57
  text "GND" at 105.418,66.929 h1.57
  text "GND" at 84.278,66.139 h1.57
  text "SD_MOSI/P0.9" at 30.488,65.659 h1.57
  text "TH4/P0.26" at 11.736,65.467 h1.57
  text "GND" at 21.598,63.754 h1.57
  text "SD_MISO/P0.8" at 39.378,63.754 h1.57
  text "+" at 119.388,63.754 h2.76
  text "MOSI/P0.18" at 70.501,61.956 h1.57 r45
  text "3v3" at 21.598,61.214 h1.57
  text "SD_SCK/P0.7" at 38.743,61.214 h1.57
  text "GND" at 74.938,61.214 h1.57 r270
  text "POT6" at 77.478,61.214 h1.57 r270
  text "POT7" at 80.653,61.214 h1.57 r270
  text "POT8" at 83.193,61.214 h1.57 r270
  text "+" at 106.053,61.214 h2.76
  text "MISO/P0.17" at 72.397,60.043 h1.57 r45
  text "SD_CS/P0.6" at 30.488,59.309 h1.57
  text "GND" at 60.333,56.769 h1.57
  text "SCL/P0.1" at 93.391,56.577 h1.57
  text "-" at 106.053,56.134 h2.76
  text "3v3" at 59.063,54.864 h1.57
  text "SDA/P0.0" at 93.391,54.672 h1.57
  text "-" at 120.023,54.229 h2.76
  text "LED4/P1.21" at 81.762,53.402 h1.57
  text "CS/P0.16" at 60.968,52.959 h1.57
  text "+" at 120.023,52.324 h2.76
  text "SCK/P0.15" at 62.238,51.054 h1.57
  text "-" at 106.053,51.054 h2.76
  text "LED3/P1.20" at 81.762,50.862 h1.57
  text "VBB" at 95.757,49.626 h1.57
  text "GND" at 88.11,49.465 h1.57 r315
  text "LED2/P1.19" at 81.794,48.322 h1.57
  text "GND" at 95.708,47.089 h1.57
  text "3v3" at 87.978,46.97 h1.57 r315
  text "+" at 106.053,45.974 h2.76
  text "LED1/P1.18" at 81.761,45.782 h1.57
  text "5v" at 94.854,44.508 h1.57
  text "I2C" at 71.763,42.481 h1.97
  text "-" at 120.023,42.164 h2.76
  text "5V" at 72.398,40.259 h1.26 r270
  text "3.3v" at 67.953,39.624 h1.26 r270
  text "VBB" at 127.961,37.401 h5.91
  text "SCL/P0.28" at 66.048,35.814 h1.57 r315
  text "SDA/P0.27" at 69.223,35.814 h1.57 r315
  text "GND" at 71.763,35.814 h1.57 r270
  text "3v3" at 73.668,35.814 h1.57 r270
  text "GND" at 27.793,34.094 h1.57 r270
  text "P1.30" at 30.272,32.558 h1.57 r270
  text "P1.31" at 32.812,32.558 h1.57 r270
  text "P1.22" at 37.892,32.57 h1.57 r270
  text "P1.23" at 35.352,32.541 h1.57 r270
  text "GND" at 63.508,31.369 h1.57
  text "P2.11" at 43.188,26.924 h1.57 r270
  text "P3.26" at 45.728,26.924 h1.57 r270
  text "P3.25" at 48.268,26.924 h1.57 r270
  text "GND" at 63.988,25.204 h1.57 r270
  text "P2.7" at 66.467,24.515 h1.57 r270
  text "P2.4" at 71.547,24.514 h1.57 r270
  text "P2.5" at 69.007,24.485 h1.57 r270
  text "P2.6" at 74.087,24.468 h1.57 r270
  text "PLAY_LED" at 36.003,21.694 h1.57 r45
  text "- P1.22 +" at 117.902,21.551 h1.57 r270
  text "Large FETs" at 67.953,21.209 h2.76
  text "(VBB Input)" at 107.323,21.209 h2.76 r270
  text "Mixed FETs" at 109.99,21.209 h2.76 r270
  text "/P4.28" at 36.294,19.495 h1.57 r45
  text "VBB Jumper (6A MAX)" at 67.953,19.304 h1.57
  text "Small FETs" at 106.053,19.304 h2.76
  text "LED+" at 30.101,18.43 h1.57 r45
  text "RX/P0.3" at 16.644,17.625 h1.57 r45
  text "TX/P0.2" at 14.057,17.578 h1.57 r45
  text "VBB" at 54.618,17.399 h1.57
  text "Big FET In" at 67.953,17.399 h1.57
  text "VBB Jumper (3A MAX)" at 106.053,17.399 h1.57
  text "VUART+" at 18.613,17.133 h1.57 r45
  text "P1.24" at 7.162,15.73 h1.57 r45
  text "ISP" at 38.743,15.494 h1.57
  text "VBB" at 102.878,15.494 h1.57
  text "GND" at 21.917,15.331 h1.57 r45
  text "Small FET In" at 102.878,13.589 h1.57
  text "GND" at 38.743,12.954 h1.57
  text "PLAY" at 27.948,11.684 h1.57 r45
  text "/P2.12" at 29.218,11.049 h1.57 r45
  text "GND" at 31.758,11.049 h1.57 r45
  text "+  P2.7  -" at 55.253,11.049 h1.57
  text "-  IN  +" at 66.683,11.049 h1.57
  text "-  P2.5  +" at 79.383,11.049 h1.57
  text "+ P2.4 -" at 88.908,11.049 h1.57
  text "+ P2.6 -" at 97.798,11.049 h1.57
  text "RST" at 38.743,10.414 h1.57
  text "- IN +" at 111.768,10.414 h1.57
  text "+ P1.23 -" at 123.833,10.414 h1.57
  text "-" at 5.67,10.263 h1.57
  text "5V" at 18.682,8.48 h1.26
  text "3.3v" at 22.233,7.874 h1.26 r270
  text "+" at 5.725,7.717 h1.57
  text "3.3v" at 13.343,7.556 h1.26 r270
  text "P1.29" at 36.404,7.506 h1.57 r45
  text "P1.26" at 11.64,6.873 h1.57 r45
  text "P1.25" at 5.913,6.86 h1.57 r45
  text "P1.28" at 29.395,6.848 h1.57 r45
  text "P1.27" at 20.497,6.839 h1.57 r45
  text "ENDSTOPS" at 23.186,6.604 h1.97 r270
  text "UART" at 11.756,5.969 h1.97 r270
  text "-" at 5.723,4.699 h1.57
  text "+" at 7.628,4.699 h1.57
  text "-" at 12.708,4.699 h1.57
  text "+" at 15.248,4.699 h1.57
  text "-" at 20.963,4.699 h1.57
  text "+" at 23.503,4.699 h1.57
  text "-" at 29.218,4.699 h1.57
  text "+" at 31.123,4.699 h1.57
  text "-" at 36.838,4.699 h1.57
  text "+" at 39.378,4.699 h1.57

## Text inside footprints (layer, text, board x,y; h text height)
D3: Top Overlay "2" at 100.148,38.862 h0.94 r180; Top Overlay "K" at 102.688,38.862 h0.94 r180; Top Overlay "1" at 105.228,38.862 h0.94 r180
IC13: tDocu "3" at 92.083,44.069 h1.97 r90; tDocu "2" at 92.083,46.609 h1.97 r90; tDocu "1" at 92.083,49.149 h1.97 r90
S3: Top Overlay "-" at 31.504,14.414 h1.97 r270; Top Overlay "+" at 26.424,14.414 h1.97 r270; Top Overlay "4" at 26.599,9.97 h1.57 r270; Top Overlay "3" at 26.599,18.77 h1.57 r270; Top Overlay "2" at 31.599,9.97 h1.57 r270; Top Overlay "1" at 31.599,18.77 h1.57 r270
SL1: Top Overlay "1" at 3.742,83.185 h1.54